# Altium PCB Calc_V1.PcbDoc (part 3 of 3) (continued)
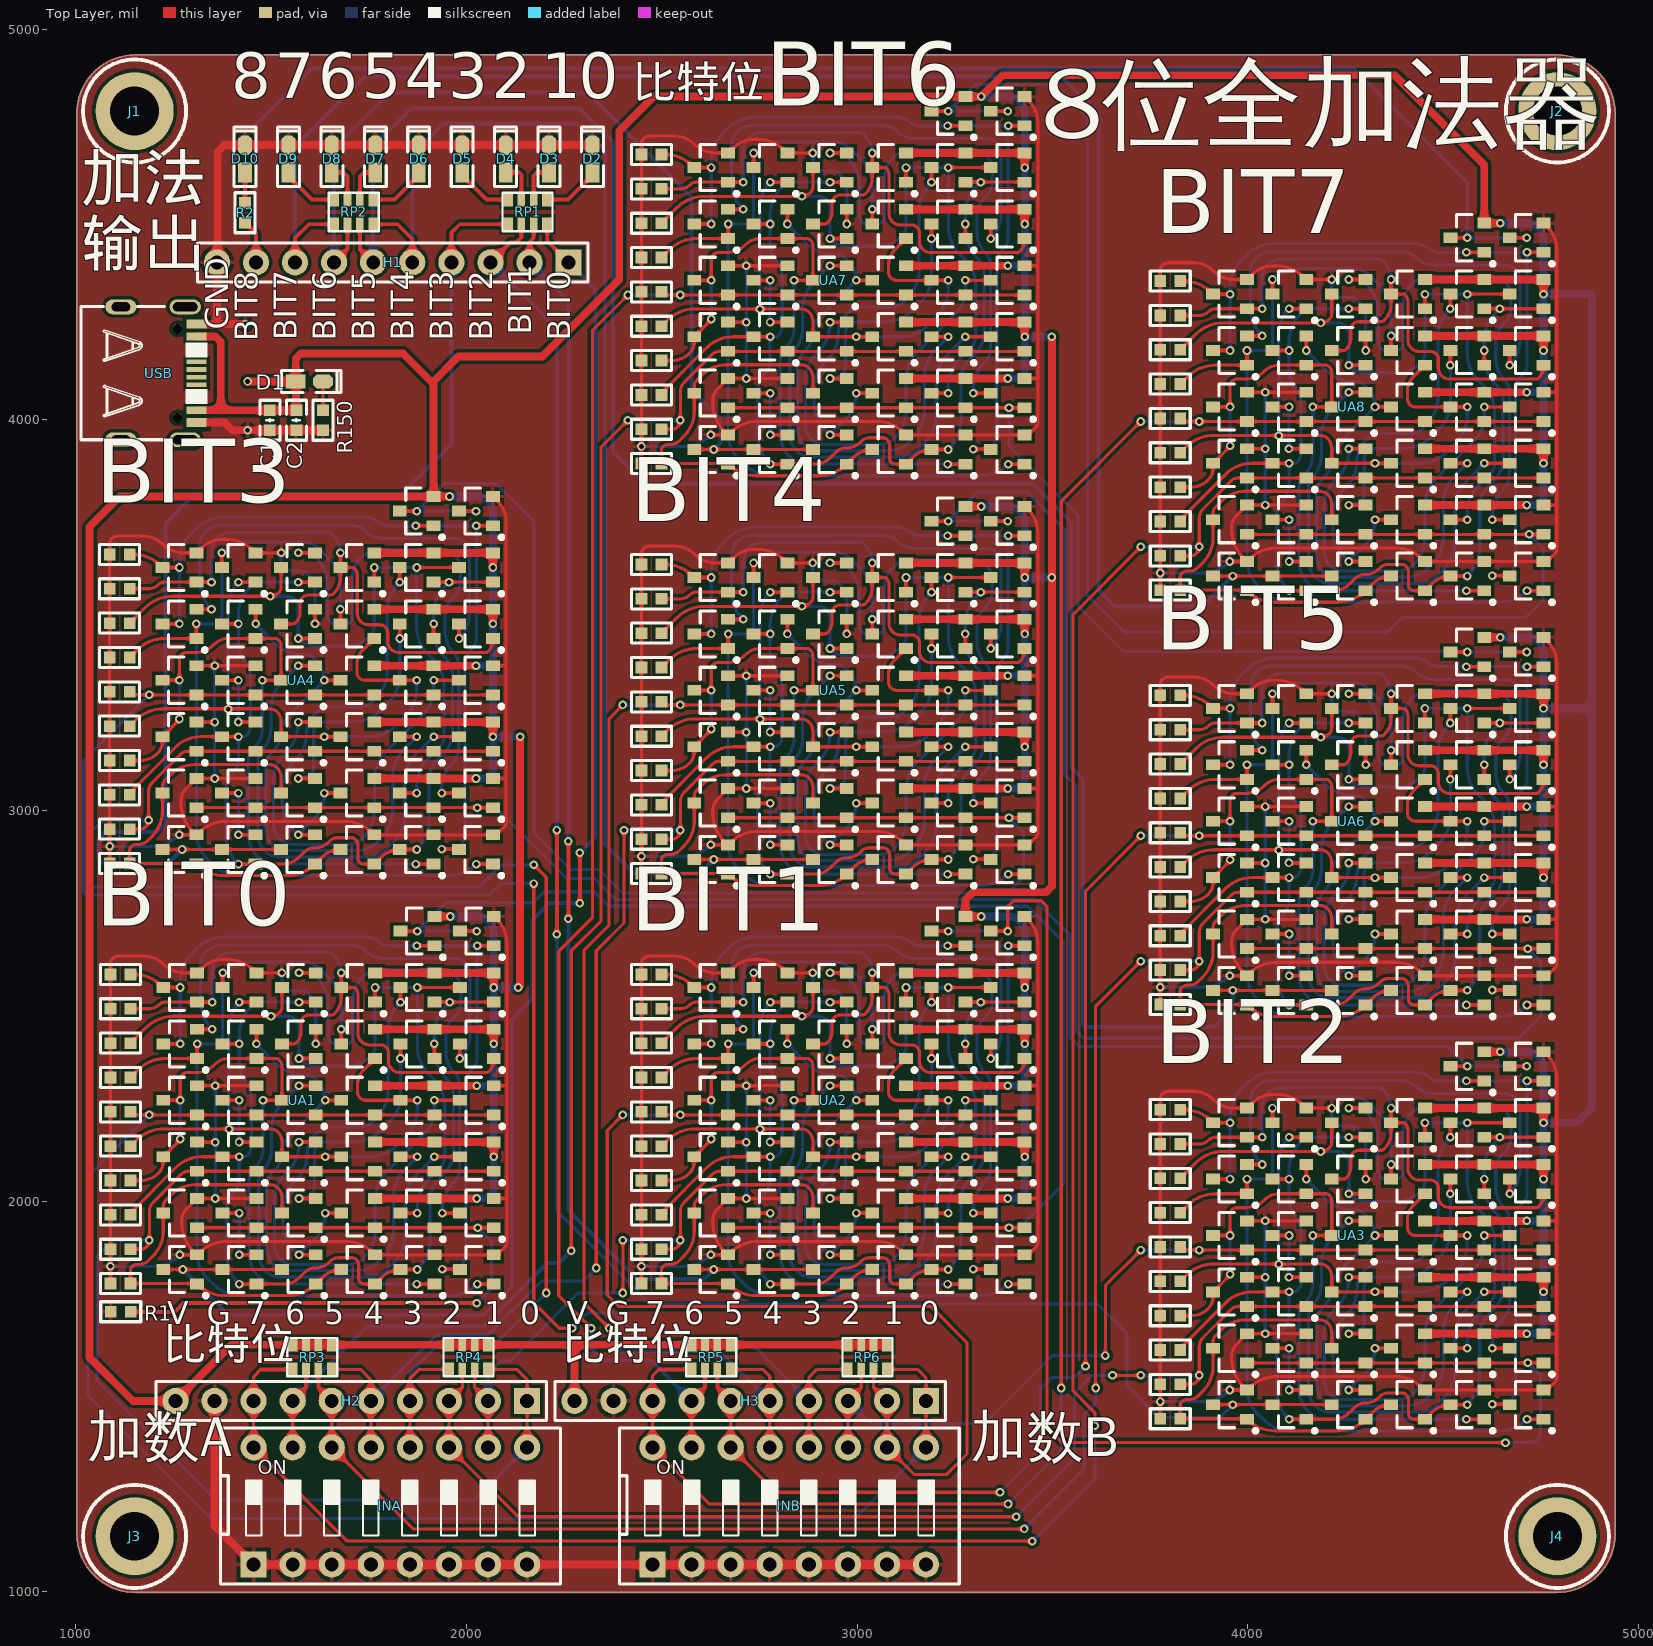
[diagram p0: Top Layer view]
## Nets (pads, with @x,y where several pads share a name; then routed paths per layer and width w, separated by ;. In a path a pad name is that pad's centre, name@x,y a point inside that pad or via, vN(x,y) a via of type N, cw(c..) or ccw(c..) an arc to the next point about the centre after c; other vN are vias at no path point)
GND: C1.1 C2.1 D2.2 D3.2 D4.2 D5.2 D6.2 D7.2 D8.2 D9.2 D10.2 H1.10 H2.9 H3.9 INA.1 INA.2 INA.3 INA.4 INA.5 INA.6 INA.7 INA.8 INB.1 INB.2 INB.3 INB.4 INB.5 INB.6 INB.7 INB.8 R1.1 R150.2 UA1.2 UA2.2 UA3.2 UA4.2 UA5.2 UA6.2 UA7.2 UA8.2 USB.1 USB.12 | length 19534.6
  Top Layer w5: 1002.63,1148.63 ccw(c1152.63,1148.63) 1152.63,998.63 4789.64,998.63 ccw(c4789.64,1148.63) 4939.64,1148.63 4939.64,4784 ccw(c4789.64,4784) 4789.64,4934 1152.63,4934 ccw(c1152.63,4784) 1002.63,4784 1002.63,1148.63
  Top Layer w20: USB.12@1309.19,3993.02 1380.99,3993.02 1400.67,3973.33 C1.1@1496.49,3973.33 C2.1@1564.49,3973.33 ; USB.1@1309.19,4244.98 1362,4244.98 ; H2.9@1355,1489 1355,1170 INA.1@1455,1070 INA.3@1655,1070 INA.6@1955,1070 INA.7@2055,1070 INA.8@2155,1070 INB.1@2476,1070 INB.2@2576,1070 INB.3@2676,1070 INB.6@2976,1070 INB.7@3076,1070 INB.8@3176,1070 ; v1(1434.02,4244.98) 1362,4244.98 ; C2.1@1564.49,3973.24 R150.2@1632.57,3973.24 ; D2.2@2322.17,4703 D3.2@2211.02,4703 1380,4703 1363,4686 1363,4404.98 H1.10@1361.02,4403 1361.02,4245.96 1362,4244.98
  Bottom Layer w20: v1@1438.49,3972.92 cw(c1439.47,3971.94) v1(1439.47,3973.33)
  other v1: 3775.51,1487.28 3953.29,1516.73 4044.11,1661.07 4044.11,1805.33 1088.5,1833.28 2447.5,1833.28 1266.27,1862.74 2625.27,1862.74 4044.11,1949.73 1357.09,2007.07 2716.09,2007.07 4301.01,2056.67 1357.09,2151.33 2716.09,2151.33 4214.4,2238.4 1357.09,2295.74 2716.09,2295.74 1614,2402.67 2973,2402.67 3775.51,2547.61 3953.29,2577.07 1527.39,2584.4 2886.39,2584.4 4044.11,2721.4 4044.11,2865.67 2447.5,2882.58 1086.51,2908.28 2625.27,2912.03 1264.29,2937.74 4044.11,3010.07 2716.09,3056.37 1355.11,3082.07 4301.01,3117 2716.09,3200.63 1355.11,3226.33 4214.4,3298.74 2716.09,3345.03 1355.11,3370.74 2973,3451.97 1612.01,3477.67 3775.51,3607.95 2886.39,3633.7 3953.29,3637.4 1525.4,3659.4 4044.11,3781.74 4044.11,3926 2447.5,3931.88 2625.27,3961.33 4044.11,4070.4 2716.09,4105.67 4301.01,4177.33 2716.09,4249.93 4214.4,4359.07 2716.09,4394.33 2973,4501.27 2886.39,4683
INA_BIT0: H2.1 INA.9 RP4.7 UA1.3 | length 2037
  Top Layer w8: RP4.7@2055.37,1569.5 2128.5,1569.5 2155,1543 H2.1@2155,1489 INA.9@2155,1370
  Bottom Layer w8: v1(1188.09,1900.23) 1095.23,1900.23 1054,1859 1054,1540 1359,1235 2020,1235 INA.9@2155,1370
INA_Bit1: H2.2 INA.10 RP4.5 UA2.3 | length 995.8
  Top Layer w8: RP4.5@2020.73,1569.5 2020.73,1523.27 H2.2@2055,1489 INA.10@2055,1370 ; v1(2400,1765) v1(2400,1900.23)
  Bottom Layer w8: H2.2@2055,1489 2055,1558 2088,1591 2111,1591 2285,1765 v1(2400,1765) ; v1(2400,1900.23) v1(2547.09,1900.23)
INA_Bit2: H2.3 INA.11 RP4.3 UA3.3 | length 2455
  Top Layer w8: RP4.3@1989.23,1569.5 1989.23,1523.23 H2.3@1955,1489 INA.11@1955,1370 2132.5,1192.5 v1(3406.61,1192.5) ; v1(3653.23,1554.23) v1(3725.6,1554.23)
  Bottom Layer w8: v1(3406.61,1192.5) 3556,1341.89 3556,1509 3601.23,1554.23 v1(3653.23,1554.23) ; v1(3725.6,1554.23) v1(3875.11,1554.23)
INA_Bit3: H2.4 INA.12 RP4.1 UA4.3 | length 3358.3
  Top Layer w8: INA.12@1855,1370 H2.4@1855,1489 1855,1546 1878.5,1569.5 RP4.1@1954.59,1569.5 ; v1(2172,2861) 2204,2829 v1(2204,1765)
  Bottom Layer w8: v1(1186.11,2975.23) 1070.05,2975.23 1036,2941.18 1036,2808.69 1040.69,2804 2032,2804 2089,2861 v1(2172,2861) ; H2.4@1855,1489 1855,1561 1931,1637 2076,1637 v1(2204,1765)
INA_Bit4: H2.5 INA.13 RP3.7 UA5.3 | length 2295.5
  Top Layer w8: RP3.7@1655.39,1569.5 1728.5,1569.5 1755,1543 H2.5@1755,1489 INA.13@1755,1370 ; v1(2332,1829) 2332,2641 2403,2712 v1(2403,2949.53)
  Bottom Layer w8: H2.5@1755,1489 1924,1658 2054,1658 2192,1796 2299,1796 v1(2332,1829) ; v1(2403,2949.53) v1(2547.09,2949.53)
INA_Bit5: H2.6 INA.14 RP3.5 UA6.3 | length 3798.8
  Top Layer w8: H2.6@1655,1489 INA.14@1655,1370 1863.75,1161.25 v1(3427.3,1161.25) ; v1(3610,1522) 3610,2498.97 v1(3725.6,2614.57)
  Top Layer w10: RP3.5@1620.75,1569.5 1620.75,1523.29 H2.6@1655,1489
  Bottom Layer w8: v1(3427.3,1161.25) 3580,1313.95 3580,1453 3610,1483 v1(3610,1522) ; v1(3725.6,2614.57) v1(3875.11,2614.57)
INA_Bit6: H2.7 INA.15 RP3.3 UA7.3 | length 3405.7
  Top Layer w8: INA.15@1555,1370 H2.7@1555,1489 ; v1(2268,1873) 2268,2641 2344,2717 2344,3929.83 v1(2413,3998.83)
  Top Layer w10: H2.7@1555,1489 1589.25,1523.29 RP3.3@1589.25,1569.5
  Bottom Layer w8: v1(2413,3998.83) v1(2547.09,3998.83)
  Bottom Layer w10: H2.7@1555,1489 1745,1679 2044,1679 2207,1842 2237,1842 v1(2268,1873)
INA_Bit7: H2.8 INA.16 RP3.1 UA8.3 | length 5236.5
  Top Layer w8: 1473.5,1569.5 1455,1551 H2.8@1455,1489 INA.16@1455,1370 1695,1130 v1(3448,1130) ; v1(3608,1425) 3608,1459 3552,1515 3552,1537 3552,3501.3 v1(3725.6,3674.9)
  Top Layer w10: 1473.5,1569.5 RP3.1@1554.61,1569.5
  Bottom Layer w8: v1(3448,1130) 3608,1290 v1(3608,1425) ; v1(3725.6,3674.9) v1(3875.11,3674.9)
INB_BIT0: H3.1 INB.9 RP6.7 UA1.4 | length 3421
  Top Layer w8: RP6.7@3076.39,1569.5 3154.5,1569.5 3176,1548 H3.1@3176,1489 INB.9@3176,1370
  Bottom Layer w8: v1(1188.09,2220.93) 1031,2063.84 1031,1502 1345,1188 2994,1188 INB.9@3176,1370
INB_Bit1: H3.2 INB.10 RP6.5 UA2.4 | length 2349.9
  Top Layer w8: v1(2400,2220.93) 2360,2180.93 2360,1760 2389,1731 3188,1731 3281,1638 3281,1353 3229,1301 3145,1301 INB.10@3076,1370 H3.2@3076,1489 3041.75,1523.25 RP6.5@3041.75,1569.5
  Bottom Layer w8: v1(2400,2220.93) v1(2547.09,2220.93)
INB_Bit2: H3.3 INB.11 RP6.3 UA3.4 | length 1425.8
  Top Layer w8: INB.11@2976,1370 H3.3@2976,1489 3010.25,1523.25 RP6.3@3010.25,1569.5 ; v1(3635,1605) 3635,1784.33 v1(3725.6,1874.93)
  Bottom Layer w8: H3.3@2976,1489 3034,1431 3325,1431 3499,1605 v1(3635,1605) ; v1(3725.6,1874.93) v1(3875.11,1874.93)
INB_Bit3: H3.4 INB.12 RP6.1 UA4.4 | length 3943.2
  Top Layer w8: v1(2172,2813) 2172,1740 2237,1675 v1(2270,1675) ; INB.12@2876,1370 H3.4@2876,1489 2876,1549 2896.5,1569.5 RP6.1@2975.61,1569.5
  Bottom Layer w8: v1(1188.09,3295.93) 1020,3127.84 1020,2788.69 1024.69,2784 2059,2784 2088,2813 v1(2172,2813) ; v1(2270,1675) 2309,1714 2379,1714 2455,1638 2727,1638 H3.4@2876,1489
INB_Bit4: H3.5 INB.13 RP5.7 UA5.4 | length 2603.7
  Top Layer w8: v1(2365,1675) 2301,1739 2301,2643 2365,2707 2365,3235.23 v1(2400,3270.23) ; RP5.7@2676.39,1569.5 2758.5,1569.5 2776,1552 H3.5@2776,1489 INB.13@2776,1370
  Bottom Layer w8: v1(2365,1675) 2365,1646 2396,1615 2650,1615 H3.5@2776,1489 ; v1(2400,3270.23) v1(2547.09,3270.23)
INB_Bit5: H3.6 INB.14 RP5.5 UA6.4 | length 2963.2
  Top Layer w8: H3.6@2676,1489 INB.14@2676,1370 2791,1255 v1(3365.22,1255) ; v1(3584,1577.6) 3584,2793.67 v1(3725.6,2935.27)
  Top Layer w10: RP5.5@2641.75,1569.5 2641.75,1523.29 H3.6@2676,1489
  Bottom Layer w8: v1(3365.22,1255) 3469,1358.78 3469,1520 3498,1549 3555.4,1549 v1(3584,1577.6) ; v1(3725.6,2935.27) v1(3875.11,2935.27)
INB_Bit6: H3.7 INB.15 RP5.3 UA7.4 | length 3464.5
  Top Layer w8: v1(2319,1675) 2236,1758 2236,2640 2322,2726 2322,4228.53 v1(2413,4319.53) ; INB.15@2576,1370 H3.7@2576,1489
  Top Layer w10: H3.7@2576,1489 2610.25,1523.29 RP5.3@2610.25,1569.5
  Bottom Layer w8: v1(2413,4319.53) v1(2547.09,4319.53)
  Bottom Layer w10: v1(2319,1675) 2319,1623 2349,1593 2472,1593 H3.7@2576,1489
INB_Bit7: H3.8 INB.16 RP5.1 UA8.4 | length 4320.2
  Top Layer w8: 2492.5,1569.5 2476,1553 H3.8@2476,1489 INB.16@2476,1370 2621,1225 v1(3385.92,1225) ; v1(3522,1522) 3522,3792 v1(3725.6,3995.6)
  Top Layer w10: 2492.5,1569.5 RP5.1@2575.61,1569.5
  Bottom Layer w8: v1(3385.92,1225) 3522,1361.08 v1(3522,1522) ; v1(3725.6,3995.6) v1(3875.11,3995.6)
NetD1_2: D1.2 R150.1 | length 73.8
  Top Layer w8: R150.1@1632.57,4024.43 D1.2@1632.57,4098.26
NetD2_1: D2.1 RP1.1 | length 149
  Top Layer w10: RP1.1@2206.39,4563.46 2260.13,4563.46 2322.17,4625.5 D2.1@2322.17,4633
NetD3_1: D3.1 RP1.3 | length 104
  Top Layer w10: RP1.3@2171.75,4563.46 2171.75,4624.75 2180,4633 D3.1@2211.02,4633
NetD4_1: D4.1 RP1.5 | length 106.6
  Top Layer w10: D4.1@2099.88,4633 2134.5,4633 2140.36,4627.14 2140.36,4618.86 2140.25,4618.75 RP1.5@2140.25,4563.46
NetD5_1: D5.1 RP1.7 | length 150.1
  Top Layer w10: D5.1@1988.73,4633 1988.73,4625.5 2050.77,4563.46 RP1.7@2105.61,4563.46
NetD6_1: D6.1 RP2.1 | length 149.4
  Top Layer w10: RP2.1@1761.39,4563.46 1815.55,4563.46 1877.58,4625.5 D6.1@1877.58,4633
NetD7_1: D7.1 RP2.3 | length 103.2
  Top Layer w10: RP2.3@1726.75,4563.46 1726.75,4622.75 1737,4633 D7.1@1766.44,4633
NetD8_1: D8.1 RP2.5 | length 103.5
  Top Layer w10: D8.1@1655.29,4633 1685,4633 1695.25,4622.75 RP2.5@1695.25,4563.46
NetD9_1: D9.1 RP2.7 | length 150.6
  Top Layer w10: D9.1@1544.15,4633 1556.65,4620.5 1556.65,4611.35 1604.54,4563.46 RP2.7@1660.61,4563.46
NetD10_1: D10.1 R2.2 | length 77.4
  Top Layer w10: R2.2@1433,4555.59 D10.1@1433,4633
NetR1_2: R1.2 UA1.5 | length 1118
  Top Layer w10: R1.2@1140.59,1717 1253,1717 1275,1739 v1(2026,1739)
  Bottom Layer w8: v1(2026,1739) 2064,1777 2064,1897.27 v1(2029,1932.27)
NetUA1_7: UA1.7 UA2.5 | length 2553.3
  Bottom Layer w8: v1(1874.09,2691.33) 1946.76,2764 2170,2764 2198,2792 2327,2792 2364,2755 3436,2755 3528,2663 3528,2045 3415.27,1932.27 v1(3388.4,1932.27)
  other v1: 2026.09,2691.33
NetUA2_7: UA2.7 UA3.5 | length 2995.4
  Top Layer w8: v1(3385.09,2691.33) 3385.09,2754.09 3400,2769 3471,2769 3486,2754 3486,1421 3525,1382 v1(4659,1382)
  Bottom Layer w8: v1(4659,1382) 4731,1382 4749,1400 4749,1553.68 v1(4716.41,1586.27)
  other v1: 3233.09,2691.33
NetUA3_7: UA3.7 UA4.5 | length 2961.4
  Bottom Layer w8: v1(2027.41,3007.27) 2074.73,3007.27 2256,2826 2328,2826 2382,2772 3454,2772 3544,2682 3544,2420 3568,2396 4510.44,2396 v1(4561.11,2345.33)
  other v1: 4713.11,2345.33
NetUA4_7: UA4.7 UA5.5 | length 2667.4
  Bottom Layer w8: v1(1872.11,3766.33) 1942.77,3837 2075,3837 2172,3740 2172,2943 2266,2849 2339,2849 2399,2789 3385,2789 3425,2829 3425,2944.96 v1(3388.4,2981.56)
  other v1: 2024.11,3766.33
NetUA5_7: UA5.7 UA6.5 | length 3071.7
  Bottom Layer w8: v1(3233.09,3740.63) 3308.46,3816 3434,3816 3531,3719 3531,3092 3560,3063 3560,2436 3579,2417 4692,2417 4750,2475 4750,2613.01 v1(4716.41,2646.6)
  other v1: 3385.09,3740.63
NetUA6_7: UA6.7 UA7.5 | length 1625.7
  Bottom Layer w8: v1(3388.4,4030.86) 3388.4,3932.6 3565,3756 3565,3523 3681.33,3406.67 4560.11,3406.67 v1(4561.11,3405.67)
  other v1: 4713.11,3405.67
NetUA7_7: UA7.7 UA8.5 | length 3064.4
  Bottom Layer w8: v1(3233.09,4789.93) 3301.16,4858 3506,4858 3589,4775 3589,3551 3683,3457 4358,3457 4395,3494 4711,3494 4755,3538 4755,3671.93 v1(4720,3706.93)
  other v1: 3385.09,4789.93
OUTS_BIT0: H1.1 RP1.2 UA1.6 | length 3825.2
  Top Layer w10: RP1.2@2206.39,4500.47 2206.39,4457.63 H1.1@2261.02,4403 ; v1(2290,2763) v1(2290,2892)
  Bottom Layer w10: v1(1273.79,1825.33) 1390.12,1709 2044,1709 2116,1781 2116,2466 2169,2519 2169,2720 2212,2763 v1(2290,2763) ; H1.1@2261.02,4403 2330,4334.02 2330,2932 v1(2290,2892)
OUTS_Bit1: H1.2 RP1.4 UA2.6 | length 3024.7
  Top Layer w10: H1.2@2161.02,4403 2162,4403.98 2162,4455 2171.75,4464.75 RP1.4@2171.75,4500.47 ; v1(2260.5,2723) v1(2260.5,2921)
  Bottom Layer w10: H1.2@2161.02,4403 2260.5,4303.52 v1(2260.5,2921) ; v1(2260.5,2723) 2260.5,1976.5 2436,1801 2608.45,1801 v1(2632.79,1825.33)
OUTS_Bit2: H1.3 RP1.6 UA3.6 | length 4677.5
  Top Layer w10: H1.3@2061.02,4403 2112.02,4454 2127,4454 2140.25,4467.25 RP1.6@2140.25,4500.47 ; v1(2231,2683) v1(2231,2950)
  Bottom Layer w8: v1(2231,2683) 2231,1976 2470,1737 3615,1737 3690,1662 3690,1529 3773,1446 3927.47,1446 v1(3960.8,1479.33)
  Bottom Layer w10: H1.3@2061.02,4403 2231,4233.02 v1(2231,2950)
OUTS_Bit3: H1.4 RP1.8 UA4.6 | length 2751.6
  Top Layer w10: H1.4@1961.02,4403 1961.02,4479.02 1982.47,4500.47 RP1.8@2105.61,4500.47
  Bottom Layer w10: v1(1271.8,2900.33) 1235.47,2864 1071,2864 1058,2877 1058,2928 1075,2945 1208,2945 1229,2966 1229,3735 1303,3809 1832,3809 1961.02,3938.02 H1.4@1961.02,4403
OUTS_Bit4: H1.5 RP2.2 UA5.6 | length 3102.8
  Top Layer w10: RP2.2@1761.39,4500.47 1823.53,4500.47 1861.02,4462.98 H1.5@1861.02,4403
  Bottom Layer w10: H1.5@1861.02,4403 1861.02,4678.02 1941,4758 2282.09,4758 2355,4685.09 2355,2913 2429,2839 2597.15,2839 v1(2632.79,2874.63)
OUTS_Bit5: H1.6 RP2.4 UA6.6 | length 4888.4
  Top Layer w10: RP2.4@1726.75,4500.47 1726.75,4437.28 H1.6@1761.02,4403
  Bottom Layer w10: H1.6@1761.02,4403 1761.02,4700.02 1858,4797 2289,4797 2375,4711 2375,3918 2456,3837 3448,3837 3548,3737 3548,3109 3577,3080 3577,2452 3583,2446 3913,2446 3960.8,2493.8 v1(3960.8,2539.67)
OUTS_Bit6: H1.7 RP2.6 UA7.6 | length 2173.3
  Top Layer w10: H1.7@1661.02,4403 1661.02,4403.08 1695.25,4437.31 RP2.6@1695.25,4500.47
  Bottom Layer w10: H1.7@1661.02,4403 1661.02,4695.02 1804,4838 2309,4838 2576,4571 2576,4076 2650,4002 2650,3941.15 v1(2632.79,3923.93)
OUTS_Bit7: H1.8 RP2.8 UA8.6 | length 4256.9
  Top Layer w10: H1.8@1561.02,4403 1561.02,4465.02 1596.47,4500.47 RP2.8@1660.61,4500.47
  Bottom Layer w10: H1.8@1561.02,4403 1561.02,4700.02 1740,4879 3523,4879 3617,4785 3617,3564 3659,3522 3882.8,3522 v1(3960.8,3600)
OUTS_Bit8: H1.9 R2.1 UA8.7 | length 3887.8
  Top Layer w10: R2.1@1433,4504.41 1461.02,4476.39 H1.9@1461.02,4403
  Bottom Layer w10: H1.9@1461.02,4403 1461.02,4756.02 1604,4899 4270,4899 4561.11,4607.89 v1(4561.11,4466)
  other v1: 4713.11,4466
USB: C1.2 C2.2 D1.1 H2.10 H3.10 RP3.2 RP3.4 RP3.6 RP3.8 RP4.2 RP4.4 RP4.6 RP4.8 RP5.2 RP5.4 RP5.6 RP5.8 RP6.2 RP6.4 RP6.6 RP6.8 UA1.1 UA2.1 UA3.1 UA4.1 UA5.1 UA6.1 UA7.1 UA8.1 USB.2 USB.11 | length 15276.3
  Top Layer w20: USB.11@1309.19,4024.51 1371,4024.51 ; USB.2@1309.19,4213.49 1356.51,4213.49 1371,4199 1371,4024.51 ; v1(1439.47,4098.26) D1.1@1562.57,4098.26 ; C2.2@1564.49,4024.43 C2.2@1564.4,4024.51 ; v1(2132,2547) 2132,2547.54 2137,2552.54 v1(2137,3189) ; H3.10@2276,1489 2276,1632.5 ; RP6.8@3076.39,1632.5 RP6.6@3041.75,1632.5 RP6.4@3010.25,1632.5 RP6.2@2975.61,1632.5 RP5.8@2676.39,1632.5 RP5.6@2641.75,1632.5 RP5.4@2610.25,1632.5 RP5.2@2575.61,1632.5 2276,1632.5 ; UA2.1@3276.6,2728.73 3276.6,2771.6 3296,2791 3483,2791 3498,2806 v1(3498,3596.3) v1(3498,4212.6) ; UA7.1@3276.6,4827.33 2479.33,4827.33 2391,4739 2391,4359 2194,4162 1979,4162 1912,4095 ; v1(3317.41,4827.33) 3372.07,4882 4375,4882 4604.61,4652.39 UA8.1@4604.61,4503.4 ; 1371,4024.51 C1.2@1496.49,4024.51 C2.2@1564.4,4024.51 ; D1.1@1562.57,4098.26 1562.57,4156.57 1576,4170 1837,4170 1912,4095 ; D1.1@1562.57,4098.26 1563.53,4097.3 1563.53,4025.38 C2.2@1564.4,4024.51 ; 1912,4095 1915.61,4091.39 UA4.1@1915.61,3803.73 1112.73,3803.73 1035,3726 1035,1600 1146,1489 H2.10@1255,1489 1398.5,1632.5 RP3.2@1554.61,1632.5 RP3.4@1589.25,1632.5 RP3.6@1620.75,1632.5 RP3.8@1655.39,1632.5 RP4.2@1954.59,1632.5 RP4.4@1989.23,1632.5 RP4.6@2020.73,1632.5 RP4.8@2055.37,1632.5 2276,1632.5
  Bottom Layer w20: v1(2026.09,2007.07) v1@2026.48,2006.69 ; v1(2067.41,3189) v1(2137,3189) ; v1(2069.4,2547) v1(2132,2547) ; v1(3428.4,3596.3) v1(3498,3596.3) ; v1(3428.4,4212.6) v1(3498,4212.6) ; v1(4756.41,2201) 4842,2201 4880,2239 4880,3261.33 ; v1(4756.41,3261.33) 4880,3261.33 ; v1(4756.41,4321.67) 4880,4321.67 4880,3261.33
  other v1: 4713.11,1661.07 4756.41,1768 4713.11,1949.73 3385.09,2007.07 4756.41,2056.67 2069.4,2114 3428.4,2114 2026.09,2295.74 3385.09,2295.74 4645.42,2382.73 2069.4,2402.67 3428.4,2402.67 3428.4,2547 4713.11,2721.4 1958.41,2728.73 3317.41,2728.73 4756.41,2828.33 4713.11,3010.07 3385.09,3056.37 2024.11,3082.07 4756.41,3117 3428.4,3163.3 3385.09,3345.03 2024.11,3370.74 4645.42,3443.07 3428.4,3451.97 2067.41,3477.67 2067.41,3622 3317.41,3778.03 4713.11,3781.74 1956.42,3803.73 4756.41,3888.67 4713.11,4070.4 3385.09,4105.67 4756.41,4177.33 3385.09,4394.33 3428.4,4501.27 4645.42,4503.4 3428.4,4645.6
pads on no net: J1.1 J2.1 J3.1 J4.1 UA1.0 UA2.0 UA3.0 UA4.0 UA5.0 UA6.0 UA7.0 UA8.0 USB. USB.5 USB.6 USB.7 USB.8 USB.SH1 USB.SH2 USB.SH3 USB.SH4
copper on no net:
  other v1: 4105.11,1441.93 4559.11,1441.93 4714.11,1441.93 4561.11,1479.33 4625.11,1480.33 4105.11,1516.73 4258.11,1516.73 4105.11,1623.67 4325.11,1623.67 4561.11,1623.67 4625.11,1623.67 4258.11,1661.07 4105.11,1768 4325.11,1768 4561.11,1768 4604.61,1768 1418.09,1787.93 1872.09,1787.93 2027.09,1787.93 2777.09,1787.93 3231.09,1787.93 3386.09,1787.93 4258.11,1805.4 4104.77,1805.57 3954.11,1813.33 1874.09,1825.33 3233.09,1825.33 1938.09,1826.33 3297.09,1826.33 4079.11,1838.33 1418.09,1862.74 1571.09,1862.74 2777.09,1862.74 2930.09,1862.74 3954.11,1912.33 4105.11,1912.33 4166.11,1912.33 4325.11,1912.33 4561.11,1912.33 4604.61,1912.33 4258.11,1949.73 1418.09,1969.67 1638.09,1969.67 1874.09,1969.67 1938.09,1969.67 2777.09,1969.67 2997.09,1969.67 3233.09,1969.67 3297.09,1969.67 1571.09,2007.07 2930.09,2007.07 4258.11,2019.27 4518,2019.27 4669.8,2019.27 3954.11,2056.67 3997.41,2056.67 4105.11,2056.67 4149.21,2056.67 4604.61,2056.67 4036.11,2094.07 4366.2,2094.07 1418.09,2114 1638.09,2114 1874.09,2114 1917.6,2114 2777.09,2114 2997.09,2114 3233.09,2114 3276.6,2114 4186.38,2127.33 1571.09,2151.4 2930.09,2151.4 1417.76,2151.57 2776.76,2151.57 1267.09,2159.33 2626.09,2159.33 4036.11,2163.6 4105.11,2163.6 4258.11,2163.6 4518,2163.6 4644.11,2163.6 1392.09,2184.33 2751.09,2184.33 3954.11,2201 4452.81,2201 4561.11,2201 4062.6,2238.4 4258.11,2238.4 4366.2,2238.4 1267.09,2258.33 1418.09,2258.33 1479.09,2258.33 1638.09,2258.33 1874.09,2258.33 1917.6,2258.33 2626.09,2258.33 2777.09,2258.33 2838.09,2258.33 2997.09,2258.33 3233.09,2258.33 3276.6,2258.33 1571.09,2295.74 2930.09,2295.74 4559.11,2307.93 4714.11,2307.93 1571.09,2365.27 1830.99,2365.27 1982.79,2365.27 2930.09,2365.27 3189.99,2365.27 3341.79,2365.27 1267.09,2402.67 1310.4,2402.67 1418.09,2402.67 1462.2,2402.67 1917.6,2402.67 2626.09,2402.67 2669.4,2402.67 2777.09,2402.67 2821.2,2402.67 3276.6,2402.67 1349.09,2440.07 1679.19,2440.07 2708.09,2440.07 3038.19,2440.07 1499.37,2473.33 2858.37,2473.33 4105.11,2502.27 4559.11,2502.27 4714.11,2502.27 1349.09,2509.6 1418.09,2509.6 1571.09,2509.6 1830.99,2509.6 1957.09,2509.6 2708.09,2509.6 2777.09,2509.6 2930.09,2509.6 3189.99,2509.6 3316.09,2509.6 4561.11,2539.67 4625.11,2540.67 1267.09,2547 1765.8,2547 1874.09,2547 2626.09,2547 3124.8,2547 3233.09,2547 4105.11,2577.07 4258.11,2577.07 1375.59,2584.4 1571.09,2584.4 1679.19,2584.4 2734.59,2584.4 2930.09,2584.4 3038.19,2584.4 1872.09,2653.93 2027.09,2653.93 3231.09,2653.93 3386.09,2653.93 4105.11,2684 4325.11,2684 4561.11,2684 4625.11,2684 4258.11,2721.4 4105.11,2828.33 4325.11,2828.33 4561.11,2828.33 4604.61,2828.33 2777.09,2837.23 3231.09,2837.23 3386.09,2837.23 1416.11,2862.93 1870.11,2862.93 2025.11,2862.93 4104.77,2865.91 4258.11,2865.74 3954.11,2873.67 3233.09,2874.63 3297.09,2875.63 4079.11,2898.67 1872.11,2900.33 1936.11,2901.33 2777.09,2912.03 2930.09,2912.03 1416.11,2937.74 1569.11,2937.74 3954.11,2972.67 4105.11,2972.67 4166.11,2972.67 4325.11,2972.67 4561.11,2972.67 4604.61,2972.67 4258.11,3010.07 2777.09,3018.97 2997.09,3018.97 3233.09,3018.97 3297.09,3018.97 1416.11,3044.67 1636.11,3044.67 1872.11,3044.67 1936.11,3044.67 2930.09,3056.37 4258.11,3079.6 4518,3079.6 4669.8,3079.6 1569.11,3082.07 3954.11,3117 3997.41,3117 4105.11,3117 4149.21,3117 4604.61,3117 4036.11,3154.4 4366.2,3154.4 2777.09,3163.3 2997.09,3163.3 3233.09,3163.3 3276.6,3163.3 4186.38,3187.67 1416.11,3189 1636.11,3189 1872.11,3189 1915.61,3189 2776.76,3200.87 2930.09,3200.7 2626.09,3208.63 4036.11,3223.93 4105.11,3223.93 4258.11,3223.93 4518,3223.93 4644.11,3223.93 1569.11,3226.4 1415.77,3226.57 1265.11,3234.33 2751.09,3233.63 1390.11,3259.33 3954.11,3261.33 4452.81,3261.33 4561.11,3261.33 4062.6,3298.74 4258.11,3298.74 4366.2,3298.74 2626.09,3307.63 2777.09,3307.63 2838.09,3307.63 2997.09,3307.63 3233.09,3307.63 3276.6,3307.63 1265.11,3333.33 1416.11,3333.33 1477.11,3333.33 1636.11,3333.33 1872.11,3333.33 1915.61,3333.33 2930.09,3345.03 4559.11,3368.27 4714.11,3368.27 1569.11,3370.74 2930.09,3414.56 3189.99,3414.56 3341.79,3414.56 1569.11,3440.27 1829,3440.27 1980.8,3440.27 2626.09,3451.97 2669.4,3451.97 2777.09,3451.97 2821.2,3451.97 3276.6,3451.97 1265.11,3477.67 1308.41,3477.67 1416.11,3477.67 1460.21,3477.67 1915.61,3477.67 2708.09,3489.37 3038.19,3489.37 1347.11,3515.07 1677.2,3515.07 2858.37,3522.63 1497.38,3548.33 2708.09,3558.9 2777.09,3558.9 2930.09,3558.9 3189.99,3558.9 3316.09,3558.9 4105.11,3562.6 4559.11,3562.6 4714.11,3562.6 1347.11,3584.6 1416.11,3584.6 1569.11,3584.6 1829,3584.6 1955.11,3584.6 2626.09,3596.3 3124.8,3596.3 3233.09,3596.3 4561.11,3600 4625.11,3601 1265.11,3622 1763.81,3622 1872.11,3622 2734.59,3633.7 2930.09,3633.7 3038.19,3633.7 4105.11,3637.4 4258.11,3637.4 1373.6,3659.4 1569.11,3659.4 1677.2,3659.4 3231.09,3703.23 3386.09,3703.23 1870.11,3728.93 2025.11,3728.93 4105.11,3744.33 4325.11,3744.33 4561.11,3744.33 4625.11,3744.33 4258.11,3781.74 2777.09,3886.53 3231.09,3886.53 3386.09,3886.53 4105.11,3888.67 4325.11,3888.67 4561.11,3888.67 4604.61,3888.67 3233.09,3923.93 3297.09,3924.93 4104.77,3926.24 4258.11,3926.07 3954.11,3934 4079.11,3959 2777.09,3961.33 2930.09,3961.33 3954.11,4033 4105.11,4033 4166.11,4033 4325.11,4033 4561.11,4033 4604.61,4033 2777.09,4068.27 2997.09,4068.27 3233.09,4068.27 3297.09,4068.27 4258.11,4070.4 2930.09,4105.67 4258.11,4139.93 4518,4139.93 4669.8,4139.93 3954.11,4177.33 3997.41,4177.33 4105.11,4177.33 4149.21,4177.33 4604.61,4177.33 2777.09,4212.6 2997.09,4212.6 3233.09,4212.6 3276.6,4212.6 4036.11,4214.73 4366.2,4214.73 4186.38,4248 2776.76,4250.17 2930.09,4250 2626.09,4257.93 2751.09,4282.93 4036.11,4284.27 4105.11,4284.27 4258.11,4284.27 4518,4284.27 4644.11,4284.27 3954.11,4321.67 4452.81,4321.67 4561.11,4321.67 2626.09,4356.93 2777.09,4356.93 2838.09,4356.93 2997.09,4356.93 3233.09,4356.93 3276.6,4356.93 4062.6,4359.07 4258.11,4359.07 4366.2,4359.07 2930.09,4394.33 4559.11,4428.6 4714.11,4428.6 2930.09,4463.86 3189.99,4463.86 3341.79,4463.86 2626.09,4501.27 2669.4,4501.27 2777.09,4501.27 2821.2,4501.27 3276.6,4501.27 2708.09,4538.67 3038.19,4538.67 2858.37,4571.93 2708.09,4608.2 2777.09,4608.2 2930.09,4608.2 3189.99,4608.2 3316.09,4608.2 2626.09,4645.6 3124.8,4645.6 3233.09,4645.6 2734.59,4683 2930.09,4683 3038.19,4683 3231.09,4752.53 3386.09,4752.53

## Polygon pours and split planes (outlines as drawn)
GND on Bottom Layer "NONET_L-01_P-001" (solid, remove dead copper, pour order 0): 1002.63,1148.63 1002.63,4784 cw(c1152.63,4784) 1152.63,4934 4789.64,4934 cw(c4789.64,4784) 4939.64,4784 4939.64,1148.63 cw(c4789.64,1148.63) 4789.64,998.63 1152.63,998.63 cw(c1152.63,1148.63)
GND on Top Layer "NONET_L-01_P-001" (solid, remove dead copper, pour order 1): 1002.63,1148.63 1002.63,4784 cw(c1152.63,4784) 1152.63,4934 4789.64,4934 cw(c4789.64,4784) 4939.64,4784 4939.64,1148.63 cw(c4789.64,1148.63) 4789.64,998.63 1152.63,998.63 cw(c1152.63,1148.63)

## Silkscreen, mask and mechanical layers (free items; w line width, h text height)
Top Overlay:
  text "比特位" at 2423.55,4798.76 h140
  text "0" at 2287,4784.55 h200
  text "8" at 1397.74,4784.36 h200
  text "7" at 1509.08,4784.18 h200
  text "6" at 1620.05,4784.36 h200
  text "5" at 1731.21,4784.36 h200
  text "4" at 1842.37,4784.36 h200
  text "3" at 1953.71,4784.36 h200
  text "2" at 2064.68,4784.36 h200
  text "1" at 2191.68,4784.36 h200
  text "BIT6" at 2766.06,4750.26 h280
  text "8位全加法器" at 3473,4659.65 h320
  text "加法" at 1014,4524.65 h200
  text "BIT7" at 3762.17,4423.26 h280
  text "输出" at 1014.19,4357.65 h200
  text "GND" at 1409.32,4230.03 h100 r90
  text "BIT1" at 2184.43,4217.63 h100 r90
  text "BIT7" at 1584.43,4204.03 h100 r90
  text "BIT8" at 1484.43,4201.63 h100 r90
  text "BIT6" at 1684.43,4201.72 h100 r90
  text "BIT5" at 1784.43,4201.91 h100 r90
  text "BIT4" at 1884.33,4202 h100 r90
  text "BIT3" at 1984.38,4202 h100 r90
  text "BIT2" at 2084.38,4202 h100 r90
  text "BIT0" at 2284.33,4201.91 h100 r90
  text "BIT3" at 1050.45,3733.64 h280
  text "BIT4" at 2420.84,3686.52 h280
  text "BIT5" at 3762.17,3357.26 h280
  text "BIT0" at 1050.45,2651.77 h280
  text "BIT1" at 2420.84,2638.39 h280
  text "BIT2" at 3762.17,2299.52 h280
  text "V" at 1233.96,1665.68 h100
  text "G" at 1334.46,1665.68 h100
  text "7" at 1435.05,1665.59 h100
  text "6" at 1535.46,1665.68 h100
  text "5" at 1635.96,1665.68 h100
  text "4" at 1736.47,1665.68 h100
  text "3" at 1837.06,1665.68 h100
  text "2" at 1937.47,1665.68 h100
  text "1" at 2045.33,1665.68 h100
  text "0" at 2137.43,1665.77 h100
  text "V" at 2255.96,1665.68 h100
  text "G" at 2356.46,1665.68 h100
  text "7" at 2457.05,1665.59 h100
  text "6" at 2557.46,1665.68 h100
  text "5" at 2657.96,1665.68 h100
  text "4" at 2758.47,1665.68 h100
  text "3" at 2859.06,1665.68 h100
  text "2" at 2959.47,1665.68 h100
  text "1" at 3067.33,1665.68 h100
  text "0" at 3159.43,1665.77 h100
  text "比特位" at 1223,1568.16 h140
  text "比特位" at 2244,1568.16 h140
  text "加数A" at 1029,1312.49 h180
  text "加数B" at 3290,1312.49 h180
Top Solder:
  text "Mymymind" at 3526,1005.58 h380

## Dimensions
1002.63,4784 to 4939.64,4784 on Mechanical 1
1152.63,998.63 to 1152.63,4934 on Mechanical 1

## Text inside footprints (layer, text, board x,y; h text height)
INA: Top Overlay "ON" at 1465,1290 h60
INB: Top Overlay "ON" at 2486,1290 h60